# Altium PCB Motor_Driver_3_Phase.PcbDoc (part 3 of 3)
Units mm, origin at the board's own origin, x right, y up, seen from the top; angles counter-clockwise.
Board outline 164.5 x 248.75 mm, 4 copper layers (Top Layer, mid1, mid2, Bottom Layer), stack 0.604 mm thick; 448 components, 306 nets, 1071 pads, 1519 vias.
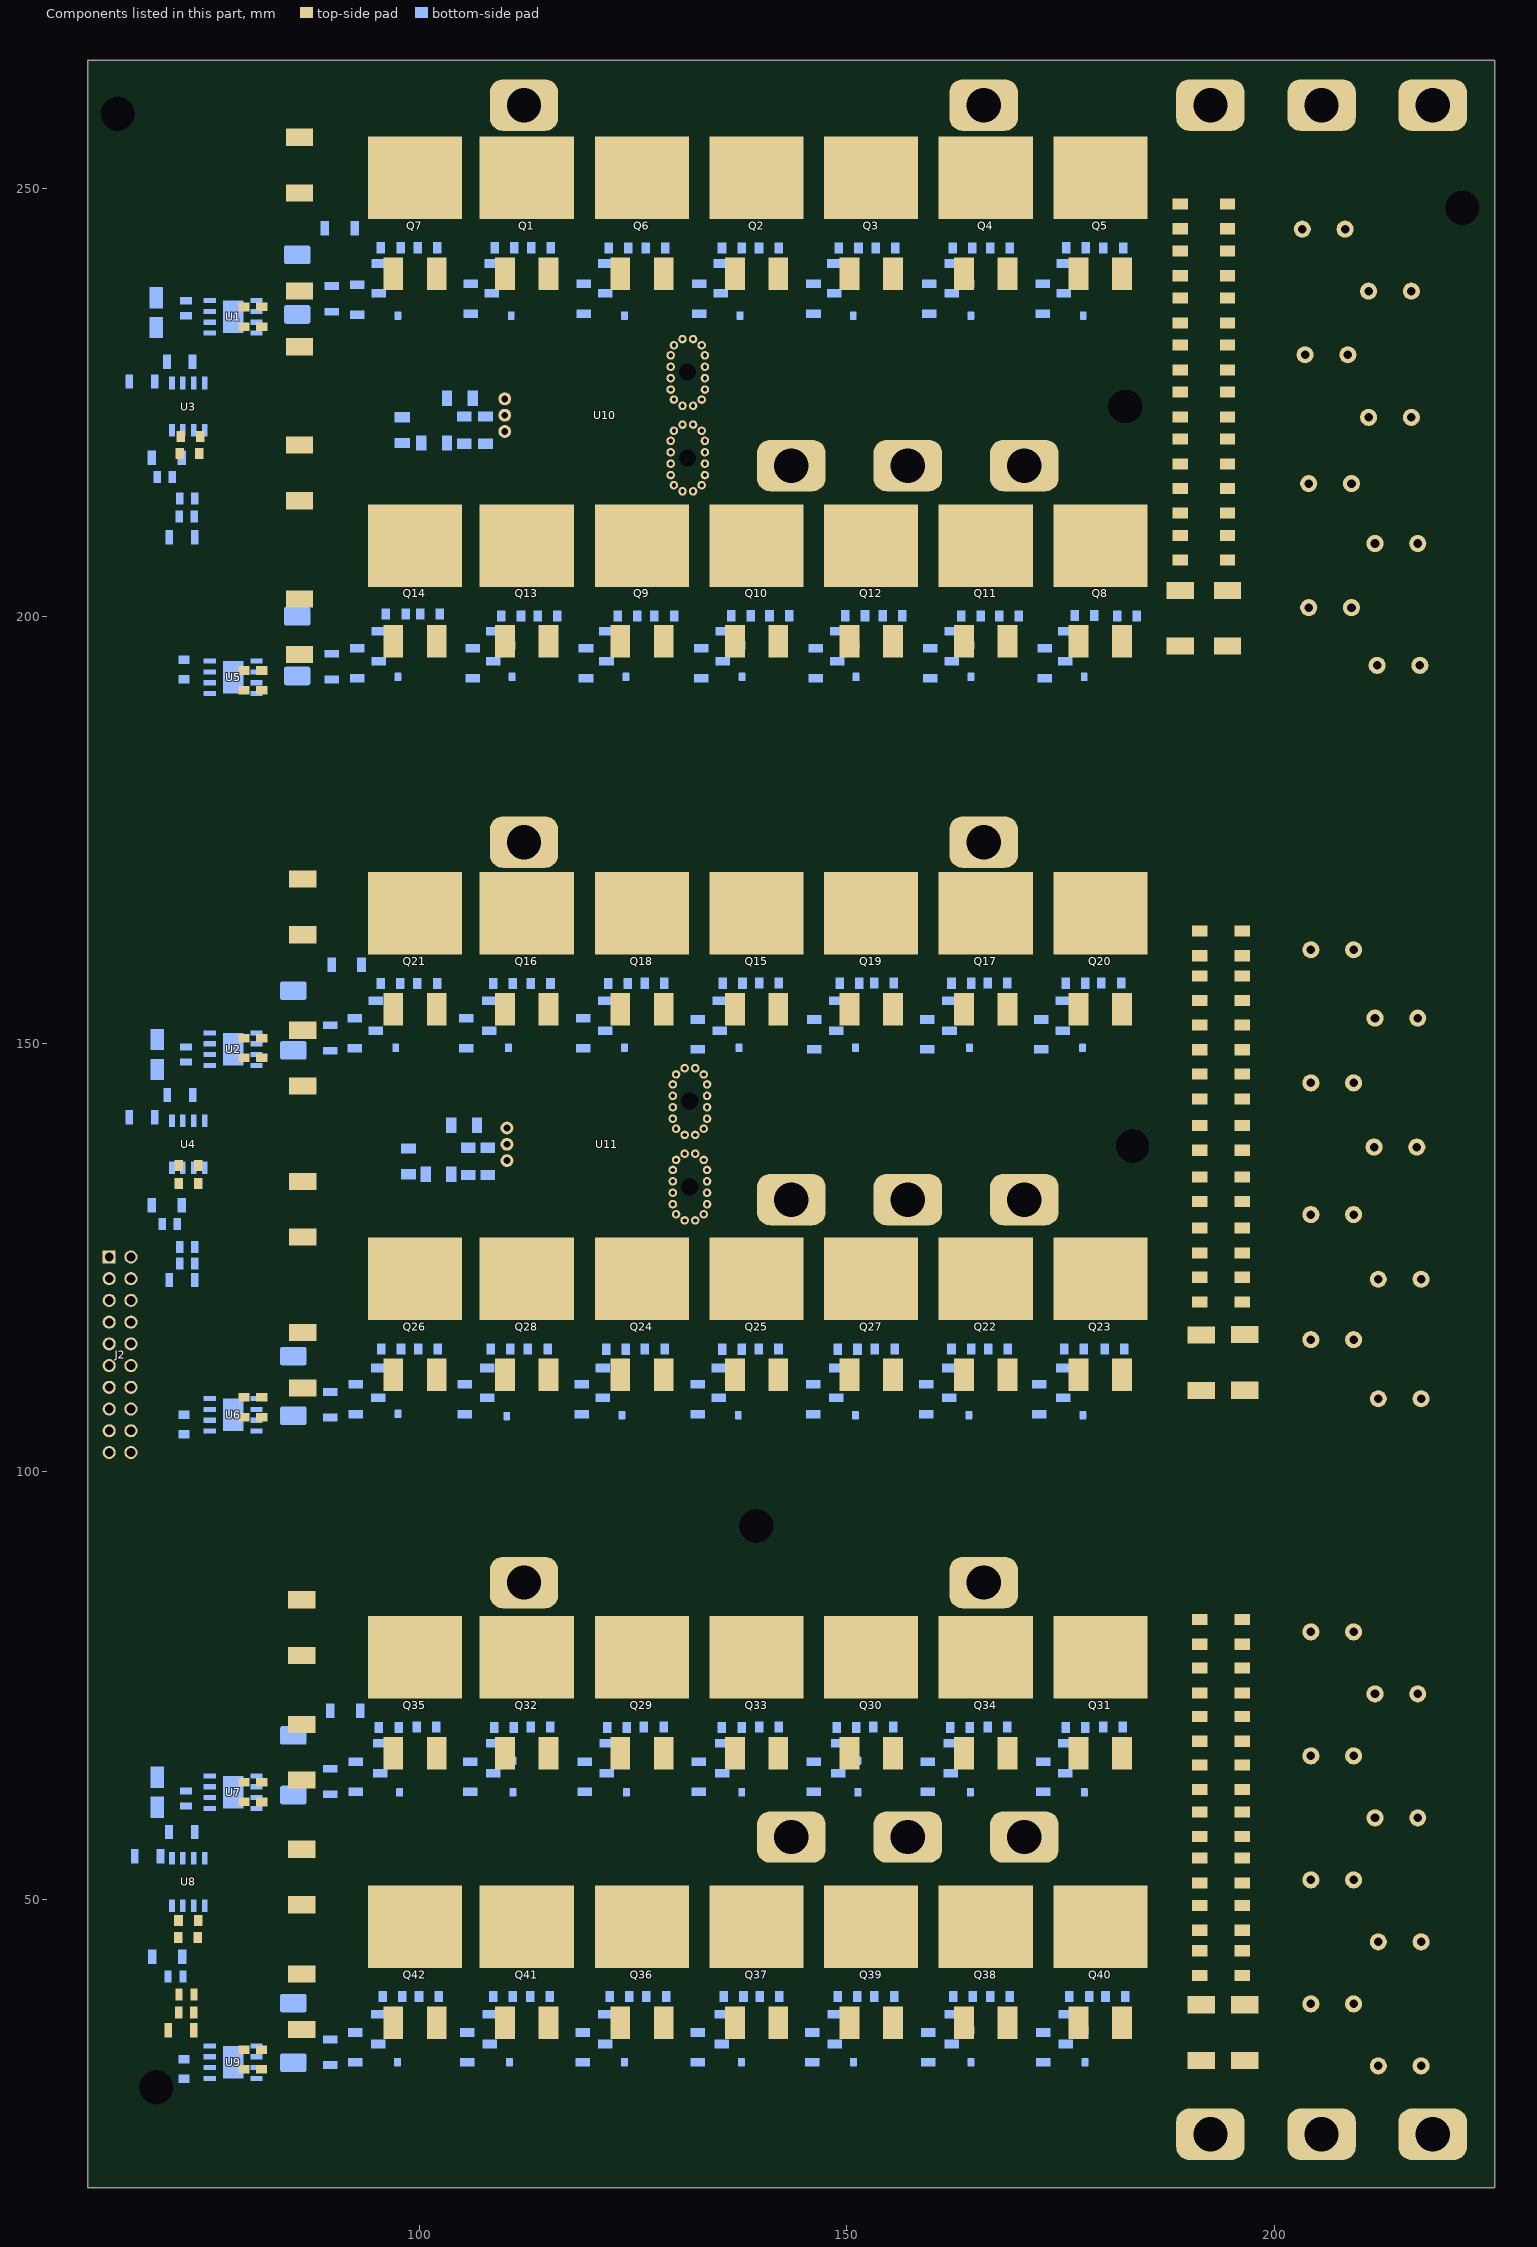
[diagram p5: the components of this part, seen from the top]

## Polygon pours and split planes (outlines as drawn) (continued)
NetQ30_1 on Top Layer "NETQ30_1_L01_P578" (solid, remove dead copper, pour order 578): 144.872,65.032 144.872,65.581 144.872,70.833 151.5,70.833 151.5,65.083
NetQ33_1 on Top Layer "NETQ33_1_L01_P576" (solid, remove dead copper, pour order 576): 131.465,65.044 131.465,65.604 131.465,70.856 138.11,70.856 138.11,65.136
NetQ29_1 on Top Layer "NETQ29_1_L01_P574" (solid, remove dead copper, pour order 574): 118.073,65.144 118.073,65.607 118.073,70.86 124.75,70.86 124.75,65.144
NetQ32_1 on Top Layer "NETQ32_1_L01_P572" (solid, remove dead copper, pour order 572): 104.731,65 104.731,65.555 104.731,70.807 111.25,70.807 111.25,65.072
NetQ35_1 on Top Layer "NETQ35_1_L01_P571" (solid, remove dead copper, pour order 571): 91.5,65.037 91.5,65.497 91.5,70.75 98.25,70.75 98.25,65.097
NetQ23_1 on Top Layer "NETQ23_1_L01_P564" (solid, remove dead copper, pour order 564): 171.238,109.129 171.238,115.155 178.379,115.155 178.379,109.104
NetQ22_1 on Top Layer "NETQ22_1_L01_P562" (solid, remove dead copper, pour order 562): 158.026,109.211 158.026,115.25 164.934,115.25 164.934,109.187
NetQ27_1 on Top Layer "NETQ27_1_L01_P560" (solid, remove dead copper, pour order 560): 144.732,109.113 144.732,115.152 151.5,115.152 151.5,109.09
NetQ25_1 on Top Layer "NETQ25_1_L01_P558" (solid, remove dead copper, pour order 558): 131.223,109.087 131.223,115.124 138.182,115.124 138.182,109.064
NetQ24_1 on Top Layer "NETQ24_1_L01_P556" (solid, remove dead copper, pour order 556): 117.638,109.179 117.638,115.25 124.75,115.25 124.75,109.154
NetQ28_1 on Top Layer "NETQ28_1_L01_P554" (solid, remove dead copper, pour order 554): 104.149,109.047 104.149,115.049 111.25,115.049 111.25,109.023
NetQ26_1 on Top Layer "NETQ26_1_L01_P553" (solid, remove dead copper, pour order 553): 91.378,109.048 91.378,115 98.25,115 98.25,109.025
NetQ20_1 on Top Layer "NETQ20_1_L01_P549" (solid, remove dead copper, pour order 549): 178.382,157.896 178.382,151.84 171.48,151.84 171.48,157.896
NetQ17_1 on Top Layer "NETQ17_1_L01_P547" (solid, remove dead copper, pour order 547): 165,157.807 165,151.751 158.226,151.751 158.226,157.807
NetQ19_1 on Top Layer "NETQ19_1_L01_P545" (solid, remove dead copper, pour order 545): 151.585,157.843 151.585,151.788 144.894,151.788 144.894,157.843
NetQ15_1 on Top Layer "NETQ15_1_L01_P544" (solid, remove dead copper, pour order 544): 138.127,157.857 138.127,151.801 131.309,151.801 131.309,157.857
NetQ18_1 on Top Layer "NETQ18_1_L01_P542" (solid, remove dead copper, pour order 542): 124.721,157.878 124.721,151.822 117.99,151.822 117.99,157.878
NetQ16_1 on Top Layer "NETQ16_1_L01_P540" (solid, remove dead copper, pour order 540): 111.25,157.78 111.25,151.724 104.272,151.724 104.272,157.78
NetQ21_1 on Top Layer "NETQ21_1_L01_P538" (solid, remove dead copper, pour order 538): 98.25,157.799 98.25,151.744 91.256,151.744 91.256,157.799
NetQ5_1 on Top Layer "NETQ5_1_L01_P531" (solid, remove dead copper, pour order 531): 171.756,244.075 178.373,244.075 178.373,237.575 171.756,237.575
NetQ4_1 on Top Layer "NETQ4_1_L01_P529" (solid, remove dead copper, pour order 529): 158.443,243.973 164.918,243.973 164.918,237.473 158.443,237.473
NetQ3_1 on Top Layer "NETQ3_1_L01_P527" (solid, remove dead copper, pour order 527): 144.822,243.986 151.5,243.986 151.5,237.486 144.822,237.486
NetQ2_1 on Top Layer "NETQ2_1_L01_P525" (solid, remove dead copper, pour order 525): 131.477,244.031 138.095,244.031 138.095,237.531 131.477,237.531
NetQ6_1 on Top Layer "NETQ6_1_L01_P523" (solid, remove dead copper, pour order 523): 118,244 124.75,244 124.75,237.5 118,237.5
NetQ1_1 on Top Layer "NETQ1_1_L01_P521" (solid, remove dead copper, pour order 521): 104.717,244.019 111.25,244.019 111.25,237.519 104.717,237.519
NetQ7_1 on Top Layer "NETQ7_1_L01_P520" (solid, remove dead copper, pour order 520): 91.5,244 98.25,244 98.25,237.5 91.5,237.5
A on Top Layer "A_L01_P431" (solid, remove dead copper, pour order 431): 180.861,232.118 184.673,237.006 184.673,242.281 180.861,242.281
+48V on Top Layer "+48V_L01_P416" (solid, remove dead copper, pour order 416): 20 vertices, not listed, extent 200.561,107 213.5,164.75
no net on Top Layer "NONET_L01_P471" (solid, pour order 471): 183.383,250 201.75,250 201.75,247.25 183.383,247.25
GND on Top Layer "GND_L01_P418" (solid, remove dead copper, pour order 418): 19 vertices, not listed, extent 207.75,20.25 225.632,98
+48V on Top Layer "+48V_L01_P467" (solid, pour order 467): 93.75,90.5 84,90.5 84.25,90.25 84.25,83.39 93.75,83.39 93.75,73 185.448,73 185.448,82 202.75,82 204.5,82.502 204.5,90.5
Source_3 on Top Layer "SOURCE_3_L01_P466" (solid, pour order 466): 180.887,64 181.867,64 181.867,62.75 181.25,62.75 181.25,58.75 185.486,58.75 185.486,69 180.887,69
Source_3 on Top Layer "SOURCE_3_L01_P465" (solid, pour order 465): 167.5,63.75 167.5,62.75 167.5,58.75 170.75,58.75 170.75,69 167.5,69
Source_3 on Top Layer "SOURCE_3_L01_P464" (solid, pour order 464): 154,64.25 154,62.75 154,58.75 157.5,58.75 157.5,69 154,69
Source_3 on Top Layer "SOURCE_3_L01_P463" (solid, pour order 463): 140.75,64 140.75,62.75 140.75,58.75 144.25,58.75 144.25,69 140.75,69
Source_3 on Top Layer "SOURCE_3_L01_P462" (solid, pour order 462): 127.266,63.75 127.266,58.84 130.75,58.84 130.75,69.09 127.266,69.09
Source_3 on Top Layer "SOURCE_3_L01_P461" (solid, pour order 461): 100.25,64.828 100.25,58.75 103.5,58.75 103.5,69 100.25,69
Source_3 on Top Layer "SOURCE_3_L01_P460" (solid, pour order 460): 113.858,64 113.858,58.75 117.25,58.75 117.25,69 113.858,69
GND on Top Layer "GND_L01_P441" (solid, remove dead copper, pour order 441): 100.75,32.968 100.75,31 100.75,23.75 103.75,23.75 103.75,37.5 100.75,37.5
GND on Top Layer "GND_L01_P442" (solid, remove dead copper, pour order 442): 113.837,32.963 113.837,24.75 117,24.75 117,37.503 113.819,37.497
GND on Top Layer "GND_L01_P447" (solid, remove dead copper, pour order 447): 100.75,101 103.5,101 103.5,113.25 100.75,113.25
+48V on Top Layer "+48V_L01_P458" (solid, pour order 458): 93.75,176.75 84.5,176.75 84.5,167.66 93.75,167.66 93.75,160.5 189.5,160.5 189.5,162 205.75,162 205.75,176.75 186.75,176.75
+48V on Top Layer "+48V_L01_P457" (solid, pour order 457): 183.383,250 201.75,250 201.75,247.25 183.383,247.25
A on Top Layer "A_L01_P430" (solid, remove dead copper, pour order 430): 167.56,235.75 169.626,235.75 167.56,235.75 167.56,229.25 170.75,229.25 170.75,242 167.56,242
GND on Top Layer "GND_L01_P449" (solid, pour order 449): 140.591,108.728 140.591,101.5 143.75,101.5 143.75,113.25 140.591,113.25
GND on Top Layer "GND_L01_P452" (solid, remove dead copper, pour order 452): 113.768,108.721 113.768,106.75 113.768,101 116.75,101 116.75,113.364 113.768,113.364
EQEP1B on Top Layer "EQEP1B_L01_P438" (solid, remove dead copper, pour order 438): 154.13,151.461 154.13,144.75 157.25,144.75 157.25,155.952 154.13,155.952
EQEP1B on Top Layer "EQEP1B_L01_P436" (solid, remove dead copper, pour order 436): 127.362,151.481 127.362,149.5 127.351,145.25 130.25,145.25 130.25,156 127.351,156
EQEP1B on Top Layer "EQEP1B_L01_P435" (solid, remove dead copper, pour order 435): 113.859,151.467 113.859,156 117,156 117,145 113.859,145
A on Top Layer "A_L01_P426" (solid, remove dead copper, pour order 426): 127.376,236.75 127.376,235.791 127.376,231.5 130.5,231.5 130.5,242.25 127.376,242.25
GND on Top Layer "GND_L01_P451" (solid, remove dead copper, pour order 451): 167.362,108.75 167.362,106.918 167.362,101 170.5,101 170.5,113.25 167.362,113.25
GND on Top Layer "GND_L01_P450" (solid, remove dead copper, pour order 450): 154,101.5 157,101.5 157,113.25 154,113.25
GND on Top Layer "GND_L01_P448" (solid, remove dead copper, pour order 448): 127.379,108.72 127.379,106.75 127.379,101.25 130.293,101.25 130.293,113.25 127.379,113.25
GND on Top Layer "GND_L01_P446" (solid, remove dead copper, pour order 446): 167.5,32.954 167.5,25.25 170.75,25.25 170.75,37.5 167.5,37.5
GND on Top Layer "GND_L01_P445" (solid, remove dead copper, pour order 445): 154.101,32.953 154.101,30.917 154.101,25.5 157.5,25.5 157.5,37.5 154.101,37.5
GND on Top Layer "GND_L01_P444" (solid, remove dead copper, pour order 444): 140.75,32.963 140.75,25 144,25 144,37.5 140.75,37.5
GND on Top Layer "GND_L01_P443" (solid, remove dead copper, pour order 443): 127.396,32.979 127.396,24.309 130.5,24.309 130.5,37.559 127.396,37.559
EQEP1B on Top Layer "EQEP1B_L01_P440" (solid, remove dead copper, pour order 440): 180.855,151.5 180.855,145.25 185,147.75 185,156 180.855,156
EQEP1B on Top Layer "EQEP1B_L01_P439" (solid, remove dead copper, pour order 439): 167.385,150.5 167.385,149.5 167.385,145.5 170.5,145.5 170.5,156 167.385,156
EQEP1B on Top Layer "EQEP1B_L01_P437" (solid, remove dead copper, pour order 437): 140.635,151.451 140.635,149.5 140.635,144.313 143.75,144.313 143.75,156 140.635,156
A on Top Layer "A_L01_P429" (solid, remove dead copper, pour order 429): 154.162,235.808 156.21,235.808 154.162,235.808 154.162,230.511 157.5,230.495 157.5,241.933 154.162,241.933
A on Top Layer "A_L01_P428" (solid, remove dead copper, pour order 428): 140.763,236.75 140.763,230 143.75,230 143.75,242 140.763,242
A on Top Layer "A_L01_P427" (solid, remove dead copper, pour order 427): 113.86,235.865 115.674,235.865 113.86,235.865 113.86,230.25 117,230.25 117,242 113.86,242
+48V on Top Layer "+48V_L01_P417" (solid, remove dead copper, pour order 417): 19 vertices, not listed, extent 201,29 213.25,83
+48V on Top Layer "+48V_L01_P414" (solid, pour order 414): 20 vertices, not listed, extent 199,192.5 213,250
GND on Bottom Layer "GND_L04_P502" (solid, remove dead copper, pour order 502): 56 vertices, not listed, extent 61.25,133 185.25,228.25
GND on Bottom Layer "GND_L04_P584" (solid, remove dead copper, pour order 584): 54 vertices, not listed, extent 61.25,26 184.19,107.25
A on Bottom Layer "A_L04_P706" (solid, pour order 706): 175.75,224 181,229.25 181,233 105.75,233 117.75,224
Source_3 on Bottom Layer "SOURCE_3_L04_P710" (solid, pour order 710): 94,53 101.75,60.75 185.597,60.75 185.597,44.097 185.25,43.75 94,43.75
B1 on Bottom Layer "B1_L04_P709" (solid, pour order 709): 106.5,127.75 115.25,137.5 177,137.5 185.25,129.25 185.25,118.5 94.75,118.5 93.75,119.5 93.75,127.75
EQEP1B on Bottom Layer "EQEP1B_L04_P708" (solid, pour order 708): 105,147.75 185,147.75 176,138.75 114,138.75
A1 on Bottom Layer "A1_L04_P707" (solid, pour order 707): 93.75,213.25 109.79,213.25 116.203,223 175.25,223 185,213.25 185,204.75 95.25,204.75 93.75,206.25
NetD42_1 on Bottom Layer "NETD42_1_L04_P705" (solid, pour order 705): 174.567,32.372 174.567,35.244 178.678,35.244 178.678,32.357
NetD41_1 on Bottom Layer "NETD41_1_L04_P704" (solid, pour order 704): 161.242,32.272 161.242,35.24 165.353,35.24 165.353,32.257
NetD40_1 on Bottom Layer "NETD40_1_L04_P703" (solid, pour order 703): 147.522,32.334 147.522,35.407 151.813,35.407 151.813,32.318
NetD37_1 on Bottom Layer "NETD37_1_L04_P702" (solid, pour order 702): 134.315,32.366 134.315,35.346 138.606,35.346 138.606,32.351
NetD36_1 on Bottom Layer "NETD36_1_L04_P701" (solid, pour order 701): 120.684,32.25 120.684,35.23 124.933,35.23 124.933,32.235
NetD39_1 on Bottom Layer "NETD39_1_L04_P700" (solid, pour order 700): 107.169,32.369 107.169,35.248 111.352,35.248 111.352,32.353
NetD38_1 on Bottom Layer "NETD38_1_L04_P699" (solid, pour order 699): 94.122,32.385 94.122,35.197 98.26,35.197 98.26,32.369
NetD35_1 on Bottom Layer "NETD35_1_L04_P698" (solid, pour order 698): 174.517,63.984 174.517,66.865 178.59,66.865 178.59,63.969
NetD34_1 on Bottom Layer "NETD34_1_L04_P697" (solid, pour order 697): 161.174,64.058 161.174,66.87 165.247,66.87 165.247,64.043
NetD33_1 on Bottom Layer "NETD33_1_L04_P696" (solid, pour order 696): 148,64 148,66.812 152.073,66.812 152.073,63.985
NetD32_1 on Bottom Layer "NETD32_1_L04_P695" (solid, pour order 695): 134.403,64.042 134.403,66.854 138.476,66.854 138.476,64.027
NetD31_1 on Bottom Layer "NETD31_1_L04_P694" (solid, pour order 694): 120.888,64.007 120.888,66.819 124.961,66.819 124.961,63.992
NetD30_1 on Bottom Layer "NETD30_1_L04_P693" (solid, pour order 693): 107.675,64.006 107.675,66.818 111.748,66.818 111.748,63.991
NetD29_1 on Bottom Layer "NETD29_1_L04_P692" (solid, pour order 692): 94.443,63.987 94.443,66.799 98.516,66.799 98.516,63.972
NetD28_1 on Bottom Layer "NETD28_1_L04_P691" (solid, pour order 691): 174.264,107.873 174.264,110.879 178.414,110.879 178.414,107.858
NetD27_1 on Bottom Layer "NETD27_1_L04_P690" (solid, pour order 690): 160.924,107.869 160.924,110.893 165.075,110.893 165.075,107.853
NetD26_1 on Bottom Layer "NETD26_1_L04_P689" (solid, pour order 689): 147.717,107.876 147.717,110.9 151.805,110.9 151.805,107.861
NetD23_1 on Bottom Layer "NETD23_1_L04_P688" (solid, pour order 688): 134.064,107.994 134.064,110.866 138.153,110.866 138.153,107.979
NetD22_1 on Bottom Layer "NETD22_1_L04_P687" (solid, pour order 687): 120.422,107.976 120.422,110.848 124.511,110.848 124.511,107.961
NetD25_1 on Bottom Layer "NETD25_1_L04_P686" (solid, pour order 686): 106.912,107.878 106.912,110.75 111,110.75 111,107.863
NetD24_1 on Bottom Layer "NETD24_1_L04_P685" (solid, pour order 685): 94.222,107.921 94.222,111.058 98.295,111.058 98.295,107.906
NetD21_1 on Bottom Layer "NETD21_1_L04_P684" (solid, pour order 684): 174.25,150.75 174.25,153.816 178.387,153.816 178.387,150.735
NetD20_1 on Bottom Layer "NETD20_1_L04_P683" (solid, pour order 683): 160.995,150.835 160.995,153.9 165.132,153.9 165.132,150.82
NetD19_1 on Bottom Layer "NETD19_1_L04_P682" (solid, pour order 682): 147.748,150.832 147.748,153.897 151.885,153.897 151.885,150.817
NetD18_1 on Bottom Layer "NETD18_1_L04_P681" (solid, pour order 681): 134.113,150.827 134.113,153.892 138.25,153.892 138.25,150.812
NetD17_1 on Bottom Layer "NETD17_1_L04_P680" (solid, pour order 680): 120.698,150.842 120.698,153.908 124.771,153.908 124.771,150.827
NetD16_1 on Bottom Layer "NETD16_1_L04_P679" (solid, pour order 679): 107.18,150.894 107.18,154.031 111.253,154.031 111.253,150.879
NetD15_1 on Bottom Layer "NETD15_1_L04_P678" (solid, pour order 678): 93.949,150.793 93.949,153.93 98.022,153.93 98.022,150.778
NetD14_1 on Bottom Layer "NETD14_1_L04_P677" (solid, pour order 677): 174.614,194.202 174.614,197.159 178.331,197.159 178.331,194.189
NetD13_1 on Bottom Layer "NETD13_1_L04_P676" (solid, pour order 676): 161.35,194.163 161.35,197.237 165.067,197.237 165.067,194.15
NetD12_1 on Bottom Layer "NETD12_1_L04_P675" (solid, pour order 675): 148.001,194.13 148.001,197.204 151.718,197.204 151.718,194.117
NetD9_1 on Bottom Layer "NETD9_1_L04_P674" (solid, pour order 674): 134.667,194.131 134.667,197.205 138.384,197.205 138.384,194.118
NetD8_1 on Bottom Layer "NETD8_1_L04_P673" (solid, pour order 673): 120.986,194.065 120.986,197.102 124.908,197.102 124.908,194.051
NetQ9_1 on Bottom Layer "NETQ9_1_L04_P672" (solid, remove dead copper, pour order 672): 120.719,194.947 120.719,197.75 123.836,197.75 123.836,200.947 118.242,200.947 118.242,194.947
NetD11_1 on Bottom Layer "NETD11_1_L04_P670" (solid, pour order 670): 107.828,194.134 107.828,197.171 111.75,197.171 111.75,194.12
NetD10_1 on Bottom Layer "NETD10_1_L04_P669" (solid, pour order 669): 94.25,194.113 94.25,197.25 98.323,197.25 98.323,194.098
NetD7_1 on Bottom Layer "NETD7_1_L04_P668" (solid, pour order 668): 174.353,237.123 174.353,239.586 178.143,239.586 178.143,237.164
NetD6_1 on Bottom Layer "NETD6_1_L04_P667" (solid, pour order 667): 161.186,237.089 161.186,239.493 164.976,239.493 164.976,237.13
NetD5_1 on Bottom Layer "NETD5_1_L04_P666" (solid, pour order 666): 147.58,237.199 147.58,239.602 151.371,239.602 151.371,237.239
NetD4_1 on Bottom Layer "NETD4_1_L04_P665" (solid, pour order 665): 134.275,237.136 134.275,239.539 138.066,239.539 138.066,237.176
NetD3_1 on Bottom Layer "NETD3_1_L04_P664" (solid, pour order 664): 120.843,237.086 120.843,239.489 124.633,239.489 124.633,237.126
NetD2_1 on Bottom Layer "NETD2_1_L04_P663" (solid, pour order 663): 107.614,237.097 107.614,239.5 111.25,239.5 111.25,237.135
NetD1_1 on Bottom Layer "NETD1_1_L04_P662" (solid, pour order 662): 94.452,237.211 94.452,239.5 98,239.5 98,237.211
NetC163_1 on Bottom Layer "NETC163_1_L04_P652" (solid, pour order 652): 72,46.116 71.75,46.116 71.75,40.045 72.918,40.038 72.918,50 72,50
NetR154_2 on Bottom Layer "NETR154_2_L04_P649" (solid, pour order 649): 71.452,56.635 68.768,56.635 68.768,53.966 71.452,53.966
15V on Bottom Layer "15V_L04_P647" (solid, pour order 647): 71.505,105 76.75,105 76.75,104.5 80,104.5 79.954,104.546 79.954,105.132 81.777,105.132 81.791,105.146 81.834,105.104 81.834,102.877 71.494,102.877
NetR145_2 on Bottom Layer "NETR145_2_L04_P645" (solid, pour order 645): 73.25,140.25 73.25,143 73,143 73,146 74,146 74,142.901 74.028,142.874 74,142.846 74,140.25
NetR150_2 on Bottom Layer "NETR150_2_L04_P644" (solid, pour order 644): 68.5,142.651 71.5,142.651 71.5,140.25 68.5,140.25
NetC153_1 on Bottom Layer "NETC153_1_L04_P642" (solid, pour order 642): 72,132 71.625,132 71.625,131.875 71.625,130.125 71.25,129.75 71.25,128.25 72.25,128.25 72.25,129.5 72.75,130 72.75,136.25 72,136.25
NetC89_2 on Bottom Layer "NETC89_2_L04_P641" (solid, pour order 641): 73.291,136.231 73.31,136.25 74,136.25 74,127.75 74.5,127.25 74.462,127.212 74.462,121.448 73.25,121.448 73.25,134.5
NetC9_2 on Bottom Layer "NETC9_2_L04_P639" (solid, pour order 639): 72,140.25 72,142.75 71.643,143.107 68.143,143.107 66.5,144.75 66.5,147 67.75,147 67.75,145.5 68.349,144.901 72.151,144.901 72.75,143.982 72.75,140.25
NetC9_1 on Bottom Layer "NETC9_1_L04_P605" (solid, pour order 605): 20 vertices, not listed, extent 68.5,140.148 82.84,148.5
NetC154_1 on Bottom Layer "NETC154_1_L04_P636" (solid, pour order 636): 72.896,222.5 72,222.5 72,221 71.696,220.696 71.696,217.5 71,217.5 70.5,217 70.509,215.352 71.696,215.352 71.75,215.406 71.75,217 72.342,217 72.896,217.554
15V on Bottom Layer "15V_L04_P635" (solid, pour order 635): 76.845,191.343 76.845,190.751 79.655,190.751 79.655,191.343 82,191.343 82,189.25 71.727,189.25 71.727,193.25 73,193.25 73.5,192.75 73.5,191.343
NetR149_2 on Bottom Layer "NETR149_2_L04_P634" (solid, pour order 634): 68.5,228.5 71.25,228.5 71.5,228.25 71.5,225.25 68.5,225.25
15V on Bottom Layer "15V_L04_P633" (solid, pour order 633): 74.5,223.75 78.169,223.75 78.169,219.75 74.5,219.75
NetC90_2 on Bottom Layer "NETC90_2_L04_P632" (solid, pour order 632): 73.25,208.25 73.25,222.497 73.247,222.5 74,222.5 74,215.25 74.5,214.75 74.5,208.25
GND on Bottom Layer "GND_L04_P629" (solid, pour order 629): 61.25,199.25 72.5,199.25 72.5,210.75 72.5,214.75 70,214.75 70,219 71.5,220.5 71.5,222.5 69.25,224.75 66.75,224.75 66.75,228.25 61.25,228.25
NetR144_2 on Bottom Layer "NETR144_2_L04_P628" (solid, pour order 628): 73,231.75 74.25,231.75 74.25,226.5 74,226.25 73,226.25
NetR144_2 on Bottom Layer "NETR144_2_L04_P627" (solid, pour order 627): 76.25,234.75 73.8,234.75 73.8,234 76.25,234
NetC8_2 on Bottom Layer "NETC8_2_L04_P626" (solid, pour order 626): 33 vertices, not listed, extent 64.259,226.5 90.75,246.5
NetC8_1 on Bottom Layer "NETC8_1_L04_P625" (solid, pour order 625): 68.513,235.058 72,235.058 72,235.75 73.5,235.75 73.5,233.5 76.25,233.5 76.25,226 74.5,226 74.5,232 69.104,232 68.482,232.622
NetC8_1 on Bottom Layer "NETC8_1_L04_P624" (solid, pour order 624): 81.97,233.438 76.25,233.438 76.25,231.188 81.97,231.188
NetC8_2 on Bottom Layer "NETC8_2_L04_P623" (solid, pour order 623): 82.75,236.596 80.219,236.596 80.219,237.25 76.472,237.25 76.472,241 82.75,241
NetQ35_1 on Bottom Layer "NETQ35_1_L04_P570" (solid, remove dead copper, pour order 570): 93.749,65.106 93.749,67.576 96.496,67.576 96.496,70.75 91.5,70.75 91.5,65.082
NetC23_2 on Bottom Layer "NETC23_2_L04_P568" (solid, remove dead copper, pour order 568): 24 vertices, not listed, extent 66.25,54 90.75,73
Source_3 on Bottom Layer "SOURCE_3_L04_P567" (solid, remove dead copper, pour order 567): 39 vertices, not listed, extent 92.25,64.002 184.092,72.952
NetC9_2 on Bottom Layer "NETC9_2_L04_P535" (solid, remove dead copper, pour order 535): 18 vertices, not listed, extent 66.5,146.5 90.75,160.25
EQEP1B on Bottom Layer "EQEP1B_L04_P534" (solid, remove dead copper, pour order 534): 35 vertices, not listed, extent 92.307,150.75 183.75,160.25
+48V on Bottom Layer "+48V_L04_P615" (solid, pour order 615): 93.75,264.25 222.75,264.25 222.75,248.25 93.75,248.25
15V on Bottom Layer "15V_L04_P613" (solid, pour order 613): 71.5,29.75 73.404,29.75 73.404,29.427 76.338,29.427 76.338,28.677 80.155,28.677 80.155,29.427 81.807,29.427 81.807,27.25 71.5,27.25
15V on Bottom Layer "15V_L04_P611" (solid, pour order 611): 78.25,44.5 78.25,51.25 74.5,51.25 74.5,44.5
NetC23_1 on Bottom Layer "NETC23_1_L04_P610" (solid, pour order 610): 21 vertices, not listed, extent 68.429,53.998 82.5,62.105
15V on Bottom Layer "15V_L04_P608" (solid, pour order 608): 79,136.5 74.476,136.5 74.476,130.483 79,130.483
A on Bottom Layer "A_L04_P518" (solid, remove dead copper, pour order 518): 32 vertices, not listed, extent 91.5,237 183.75,246.25
NetD8_2 on Bottom Layer "NETD8_2_L04_P501" (solid, remove dead copper, pour order 501): 87.75,193.621 87.75,194.25 83.963,194.25 83.963,193.84 80.12,193.84 80.12,191.75 178.75,191.75 178.75,193.805
NetQ14_1 on Bottom Layer "NETQ14_1_L04_P503" (solid, remove dead copper, pour order 503): 93.882,195 93.882,197.75 96.75,197.75 96.75,201 91.5,201 91.5,195
NetQ13_1 on Bottom Layer "NETQ13_1_L04_P505" (solid, remove dead copper, pour order 505): 107.493,195 107.493,197.5 110.25,197.5 110.25,201 105,201 105,195
NetQ10_1 on Bottom Layer "NETQ10_1_L04_P510" (solid, remove dead copper, pour order 510): 134.25,195.117 134.25,197.75 137.139,197.75 137.138,197.755 137.138,201.117 131.75,201.117 131.75,195.117
NetQ12_1 on Bottom Layer "NETQ12_1_L04_P512" (solid, remove dead copper, pour order 512): 147.519,195.047 147.5,195.066 147.5,197.598 150.574,197.598 150.574,201.047 145.074,201.047 145.074,195.047
NetQ11_1 on Bottom Layer "NETQ11_1_L04_P513" (solid, remove dead copper, pour order 513): 160.915,195.132 160.917,197.5 164.024,197.5 164.024,201.132 158.524,201.132 158.524,195.132
NetQ8_1 on Bottom Layer "NETQ8_1_L04_P515" (solid, remove dead copper, pour order 515): 174.293,195.167 174.25,195.21 174.25,197.675 177.385,197.675 177.385,201.167 171.885,201.167 171.885,195.167
NetQ40_1 on Bottom Layer "NETQ40_1_L04_P599" (solid, remove dead copper, pour order 599): 174.119,33.492 174.119,35.912 176.715,35.912 176.715,39.262 171.659,39.262 171.668,39.252 171.668,33.492
NetQ38_1 on Bottom Layer "NETQ38_1_L04_P597" (solid, remove dead copper, pour order 597): 160.502,33.597 160.502,35.847 163.345,35.847 163.345,39.228 158.111,39.228 158.121,39.218 158.121,33.597
NetQ39_1 on Bottom Layer "NETQ39_1_L04_P595" (solid, remove dead copper, pour order 595): 147.056,33.542 147.056,35.88 149.603,35.88 149.603,39.274 144.607,39.274 144.616,39.265 144.616,33.542
NetQ37_1 on Bottom Layer "NETQ37_1_L04_P593" (solid, remove dead copper, pour order 593): 133.75,33.611 133.75,35.9 136.394,35.9 136.394,39.301 131.343,39.301 131.353,39.292 131.353,33.611
NetQ36_1 on Bottom Layer "NETQ36_1_L04_P591" (solid, remove dead copper, pour order 591): 120.25,33.641 120.25,35.893 122.85,35.893 122.85,39.259 117.895,39.259 117.904,39.25 117.904,33.641
NetQ41_1 on Bottom Layer "NETQ41_1_L04_P589" (solid, remove dead copper, pour order 589): 106.75,33.493 106.75,35.919 109.25,35.919 109.25,39.247 104.343,39.247 104.353,39.238 104.353,33.493
NetQ42_1 on Bottom Layer "NETQ42_1_L04_P587" (solid, remove dead copper, pour order 587): 93.75,33.493 93.75,35.94 96.331,35.94 96.331,39.25 91.25,39.25 91.259,39.241 91.259,33.493
NetD36_2 on Bottom Layer "NETD36_2_L04_P585" (solid, remove dead copper, pour order 585): 88.273,31.953 80,31.953 80,29.877 178.749,29.877 178.752,31.723
NetQ31_1 on Bottom Layer "NETQ31_1_L04_P583" (solid, remove dead copper, pour order 583): 174.203,65.025 174.203,67.5 176.652,67.5 176.652,70.905 171.638,70.905 171.638,65.652 171.638,65.005
NetQ34_1 on Bottom Layer "NETQ34_1_L04_P581" (solid, remove dead copper, pour order 581): 160.628,64.999 160.628,67.613 163.315,67.613 163.315,70.84 158.185,70.84 158.185,65.588 158.185,64.98
NetQ30_1 on Bottom Layer "NETQ30_1_L04_P579" (solid, remove dead copper, pour order 579): 147.245,65.14 147.245,67.573 150.082,67.573 150.082,70.833 144.872,70.833 144.872,65.14
NetQ33_1 on Bottom Layer "NETQ33_1_L04_P577" (solid, remove dead copper, pour order 577): 133.75,65.161 133.75,67.56 136.47,67.56 136.47,70.856 131.465,70.856 131.465,65.161
NetQ29_1 on Bottom Layer "NETQ29_1_L04_P575" (solid, remove dead copper, pour order 575): 120.43,65.182 120.43,67.655 123,67.655 123,70.86 118.073,70.86 118.073,65.182
NetQ32_1 on Bottom Layer "NETQ32_1_L04_P573" (solid, remove dead copper, pour order 573): 107.095,65.114 107.095,67.475 109.661,67.475 109.661,70.807 104.731,70.807 104.731,65.114
NetD29_2 on Bottom Layer "NETD29_2_L04_P569" (solid, remove dead copper, pour order 569): 83.5,61.5 83.5,60.873 83.489,60.862 86.936,60.862 86.936,61.5 178.685,61.5 178.685,63.199 80.052,63.48 80.052,61.5
GND on Bottom Layer "GND_L04_P551" (solid, remove dead copper, pour order 551): 56 vertices, not listed, extent 61.25,106.25 183.75,143.75
NetD22_2 on Bottom Layer "NETD22_2_L04_P566" (solid, remove dead copper, pour order 566): 83.5,105.619 83.5,105.25 87,105.25 87,105.619 178.452,105.619 178.452,107.428 80,107.622 80,105.619
NetQ23_1 on Bottom Layer "NETQ23_1_L04_P565" (solid, remove dead copper, pour order 565): 173.621,109.12 173.621,111.5 176.323,111.5 176.323,115.18 171.238,115.18 171.238,109.129
NetQ22_1 on Bottom Layer "NETQ22_1_L04_P563" (solid, remove dead copper, pour order 563): 163.068,111.5 160.29,111.5 160.29,109.203 158.026,109.211 158.026,115.262 163.068,115.262
NetQ27_1 on Bottom Layer "NETQ27_1_L04_P561" (solid, remove dead copper, pour order 561): 147.25,109.104 147.25,111.5 149.855,111.5 149.855,115.164 144.732,115.164 144.732,109.113
NetQ25_1 on Bottom Layer "NETQ25_1_L04_P559" (solid, pour order 559): 133.684,109.079 133.683,111.5 136.073,111.5 136.073,115.139 131.223,115.139 131.223,109.087
NetQ24_1 on Bottom Layer "NETQ24_1_L04_P557" (solid, remove dead copper, pour order 557): 120.052,109.17 120.052,111.5 122.5,111.5 122.5,115.23 117.638,115.23 117.638,109.179
NetQ28_1 on Bottom Layer "NETQ28_1_L04_P555" (solid, remove dead copper, pour order 555): 106.516,109.001 106.5,109.016 106.5,111.47 109.521,111.47 109.521,115.099 104.149,115.099 104.149,109.009
NetQ26_1 on Bottom Layer "NETQ26_1_L04_P552" (solid, remove dead copper, pour order 552): 93.734,109.04 93.75,109.056 93.75,111.5 96.25,111.5 96.25,115.1 91.378,115.1 91.378,109.048
NetQ20_1 on Bottom Layer "NETQ20_1_L04_P550" (solid, remove dead copper, pour order 550): 173.927,151.84 173.911,151.857 173.911,154.353 176.247,154.353 176.254,157.896 171.48,157.896 171.48,151.84
NetQ17_1 on Bottom Layer "NETQ17_1_L04_P548" (solid, remove dead copper, pour order 548): 160.573,151.751 160.555,151.769 160.555,154.486 163,154.486 163,157.807 158.226,157.807 158.226,151.751
NetQ19_1 on Bottom Layer "NETQ19_1_L04_P546" (solid, remove dead copper, pour order 546): 147.269,151.788 147.269,154.424 149.776,154.424 149.776,157.843 144.894,157.843 144.894,151.788
NetQ15_1 on Bottom Layer "NETQ15_1_L04_P543" (solid, remove dead copper, pour order 543): 133.669,151.801 133.684,151.816 133.684,154.418 136.25,154.418 136.25,157.857 131.309,157.857 131.309,151.801
NetQ18_1 on Bottom Layer "NETQ18_1_L04_P541" (solid, remove dead copper, pour order 541): 120.25,151.822 120.25,154.328 122.75,154.328 122.75,157.878 117.99,157.878 117.99,151.822
NetQ16_1 on Bottom Layer "NETQ16_1_L04_P539" (solid, remove dead copper, pour order 539): 106.555,151.724 106.555,154.5 109.27,154.5 109.27,157.78 104.272,157.78 104.272,151.724
NetQ21_1 on Bottom Layer "NETQ21_1_L04_P537" (solid, remove dead copper, pour order 537): 93.5,151.75 93.5,154.325 96.088,154.325 96.088,157.806 91.25,157.806 91.25,151.75
NetD15_2 on Bottom Layer "NETD15_2_L04_P533" (solid, remove dead copper, pour order 533): 83.5,148.308 83.5,148 87,148 87,148.312 178.5,148.406 178.5,150.357 80.142,150.357 80.142,148.305
NetQ5_1 on Bottom Layer "NETQ5_1_L04_P532" (solid, remove dead copper, pour order 532): 174,237.575 174,240.5 176.576,240.5 176.576,244.075 171.756,244.075 171.756,237.575
NetQ4_1 on Bottom Layer "NETQ4_1_L04_P530" (solid, remove dead copper, pour order 530): 160.9,237.473 160.9,240.512 163.5,240.512 163.5,243.973 158.443,243.973 158.443,237.473
NetQ3_1 on Bottom Layer "NETQ3_1_L04_P528" (solid, remove dead copper, pour order 528): 147.25,237.486 147.25,240.25 149.75,240.25 149.75,243.986 144.822,243.986 144.822,237.486
NetQ2_1 on Bottom Layer "NETQ2_1_L04_P526" (solid, remove dead copper, pour order 526): 133.949,237.531 133.949,240.5 136.5,240.5 136.5,244.031 131.477,244.031 131.477,237.531
NetQ6_1 on Bottom Layer "NETQ6_1_L04_P524" (solid, remove dead copper, pour order 524): 120.5,237.5 120.5,240.5 123,240.5 123,244 118,244 118,237.5
NetQ1_1 on Bottom Layer "NETQ1_1_L04_P522" (solid, remove dead copper, pour order 522): 107.25,237.531 107.25,240.25 110.002,240.25 110.002,244.031 104.752,244.031 104.752,237.531
NetQ7_1 on Bottom Layer "NETQ7_1_L04_P519" (solid, remove dead copper, pour order 519): 94,238.25 94,240 96.25,240 96.25,244 91.5,244 91.5,238.25
NetD1_2 on Bottom Layer "NETD1_2_L04_P517" (solid, remove dead copper, pour order 517): 90.535,234.164 80.25,234.164 80.25,236.381 178.48,236.102 178.48,233.738
GND on Bottom Layer "GND_L04_P424" (solid, remove dead copper, pour order 424): 20 vertices, not listed, extent 207.75,29 219,82.75
+48V on Bottom Layer "+48V_L04_P423" (solid, remove dead copper, pour order 423): 28 vertices, not listed, extent 94.5,29 213.5,90.5
GND on Bottom Layer "GND_L04_P422" (solid, remove dead copper, pour order 422): 48 vertices, not listed, extent 84.25,19 222.41,190.25
+48V on Bottom Layer "+48V_L04_P421" (solid, remove dead copper, pour order 421): 29 vertices, not listed, extent 93.25,107 213.284,176.75
GND on Bottom Layer "GND_L04_P420" (solid, remove dead copper, pour order 420): 25 vertices, not listed, extent 207.224,189.75 221.75,247.017
+48V on Bottom Layer "+48V_L04_P419" (solid, remove dead copper, pour order 419): 20 vertices, not listed, extent 199.25,192.5 213.25,250
GND on mid1 "GND_L02_P713" (solid, pour order 713): 61.676,103.25 67.75,103.25 67.75,97.25 61.676,97.25 61.676,17 88.75,17 88.75,265 60.599,265
+48V on mid1 "+48V_L02_P473" (solid, remove dead copper, pour order 473): 23 vertices, not listed, extent 186.329,84 213.5,164.75
+48V on mid1 "+48V_L02_P475" (solid, remove dead copper, pour order 475): 19 vertices, not listed, extent 185.25,29 213.25,83
+48V on mid1 "+48V_L02_P474" (solid, pour order 474): 94.75,96.5 94.75,73 185.448,73 185.448,82 202.75,82 204.5,82.502 204.5,96.5
+48V on mid1 "+48V_L02_P472" (solid, pour order 472): 189.75,160.5 189.75,161.5 205.75,161.5 205.75,183.25 94.5,183.25 94.5,160.5
+48V on mid1 "+48V_L02_P470" (solid, pour order 470): 183.383,250 201.75,250 201.75,247.25 183.383,247.25
+48V on mid1 "+48V_L02_P469" (solid, pour order 469): 20 vertices, not listed, extent 185,163.25 213,250
+48V on mid1 "+48V_L02_P468" (solid, pour order 468): 94.75,263.001 222.814,262.997 222.703,250 185.75,250 185.75,244.25 94.75,244.25
GND on mid2 "GND_L03_P482" (solid, pour order 482): 188.895,34 181,34 100.75,34 100.75,23.5 100.75,18 222.75,18 222.75,34
GND on mid2 "GND_L03_P480" (solid, pour order 480): 100.739,92.75 100.739,109.75 180.862,109.75 219.5,109.75 219.5,92.75
GND on mid2 "GND_L03_P477" (solid, pour order 477): 222.75,207.438 210.55,196 187.25,196 180.97,196 100.933,196 100.933,178.75 222.75,178.75
GND on mid2 "GND_L03_P483" (solid, pour order 483): 100.922,191.499 100.922,185.75 103.25,185.75 103.25,196 103.236,195.986 100.861,195.986
GND on mid2 "GND_L03_P484" (solid, pour order 484): 113.912,196 113.914,185.75 116.75,185.75 116.75,196
GND on mid2 "GND_L03_P485" (solid, pour order 485): 127.435,191.589 127.435,185.738 130.25,185.738 130.25,195.988 127.435,195.988
GND on mid2 "GND_L03_P486" (solid, pour order 486): 140.82,191.494 140.839,191.494 140.84,189.438 140.776,185.688 143.376,185.688 143.376,195.938 140.788,195.938 140.776,195.95
GND on mid2 "GND_L03_P487" (solid, pour order 487): 154.033,191.499 154.034,185.75 156.589,185.75 156.589,196 154,196 153.988,196.012
GND on mid2 "GND_L03_P488" (solid, pour order 488): 167.513,191.512 167.532,191.512 167.533,189.512 167.57,185.762 170.033,185.762 170.033,196.012 167.469,196.012
GND on mid2 "GND_L03_P481" (solid, remove dead copper, pour order 481): 19 vertices, not listed, extent 207.75,20 222.75,98
GND on mid2 "GND_L03_P479" (solid, remove dead copper, pour order 479): 28 vertices, not listed, extent 196,97.75 222.75,180.5
GND on mid2 "GND_L03_P476" (solid, pour order 476): 20 vertices, not listed, extent 207,191 222.75,247

## Keep-outs
Keep-Out Layer:
  the board outline again, w0.254

## Other copper
Top Layer:
  rectangle net NetR124_1: 84.707,40.5 87.75,50.261
  rectangle net NetR123_1: 84.717,55 87.75,64.869
  rectangle net NetR122_1: 84.632,69.656 87.825,79.403
  rectangle net NetR120_1: 84.844,115.387 87.86,128.365
  rectangle net NetR119_1: 84.852,133 88,146.039
  rectangle net NetR118_1: 84.746,151 88,163.81
  rectangle net NetR116_1: 84.433,201 87.5,214.442
  rectangle net NetR115_1: 84.396,219 87.5,232.411
  rectangle net NetR114_1: 84.5,237.25 87.5,250.5
  rectangle net NetC34_1: 195.53,127.75 197.03,131.75
  rectangle net NetC30_1: 195.53,134 197.03,137.5
  rectangle net NetC28_1: 195.53,139.9 196.935,143.75
  rectangle net NetC27_1: 190.505,140.305 192.005,144.055
  rectangle net NetC25_1: 195.53,145.868 196.991,149.5
  rectangle net NetC24_1: 190.56,145.968 192.06,149.468
  rectangle net NetC21_1: 195.53,152.033 197.027,155.25
  rectangle net NetC20_1: 190.523,152.064 192.023,155.314
  rectangle net NetC18_1: 190.576,157.22 192.076,160.97
  rectangle net NetC19_1: 195.53,157.379 197.046,161
  rectangle net NetC81_1: 190.439,115.826 192.045,120.071
  rectangle net NetC82_1: 195.53,116 197.03,120.25
  rectangle net NetC79_1: 190.474,121.97 192.063,125.605
  rectangle net NetC80_1: 195.53,122.5 197.03,125.75
  rectangle net NetC29_1: 190.446,134.246 192.023,137.863
  rectangle net NetC33_1: 190.44,128.149 192.021,132.002
  rectangle net NetC77_1: 188.07,202.607 189.82,207.107
  rectangle net NetC75_1: 188.25,209 189.75,212.25
  rectangle net NetC16_1: 188.25,214.5 189.75,218
  rectangle net NetC12_1: 188.25,220.25 189.75,223.5
  rectangle net NetC10_1: 188.25,225.75 189.75,229
  rectangle net NetC6_1: 188.25,231.25 189.75,234.5
  rectangle net NetC3_1: 188.25,236.75 189.75,240
  rectangle net NetC1_1: 188.25,242.25 189.75,245.5
  rectangle net NetC86_1: 195.38,37.25 197.138,41.5
  rectangle net NetC84_1: 195.53,43.75 196.78,46.75
  rectangle net NetC51_1: 195.53,48.75 196.78,52.25
  rectangle net NetC47_1: 195.53,54.5 196.78,57.5
  rectangle net NetC45_1: 195.53,59.75 196.78,63.25
  rectangle net NetC43_1: 195.53,65.25 196.78,68.75
  rectangle net NetC38_1: 195.53,71 196.78,74.5
  rectangle net NetC36_1: 195.53,76.75 196.78,80.25
  rectangle net NetC85_1: 190.372,37.5 192.134,41.5
  rectangle net NetC83_1: 190.576,43.5 192.076,46.75
  rectangle net NetC50_1: 190.576,49 192.076,52.25
  rectangle net NetC46_1: 190.576,54.5 192.076,57.75
  rectangle net NetC44_1: 190.576,59.75 192.076,63.25
  rectangle net NetC42_1: 190.576,65.25 192.076,68.75
  rectangle net NetC37_1: 190.576,71 192.076,74.5
  rectangle net NetC35_1: 190.576,76.75 192.076,80.25
  rectangle net NetC78_1: 193.655,202.562 195.405,206.812
  rectangle net NetC76_1: 193.667,209.167 195.372,212.25
  rectangle net NetC17_1: 193.75,214.5 195.25,218
  rectangle net NetC13_1: 193.75,220.25 195.25,223.5
  rectangle net NetC11_1: 193.75,225.75 195.25,229
  rectangle net NetC7_1: 193.75,231.25 195.25,234.25
  rectangle net NetC4_1: 193.75,236.75 195.25,240
  rectangle net NetC2_1: 193.75,242.25 195.25,245.5
  region net Source_3: 138,60.75 176.5,60.75 176.5,53.25 176.25,53 138,53
  region net B1: 138.5,136.25 175.5,136.25 176,135.75 176,127.75 139,127.75 138.5,128.25
  region net A1: 138.5,221.25 175.5,221.25 175.5,214 175,213.5 138.5,213.5
  region net GND: 219.994,17 220.001,247.189 225.425,247.189 225.749,17
  region net GND: 90.875,190.167 222,190.164 222,183.846 90.875,183.662
  region net GND: 100.75,104.15 222.75,104.147 222.75,97.057 100.75,96.885
  region net GND: 100.5,27.001 222.042,26.998 222.042,17.836 100.5,17.664
  region net +48V: 94.562,90.252 204.5,90.249 204.5,82.357 94.562,82.202
  region net +48V: 94.056,176.65 205.75,176.646 205.75,168.872 94.056,168.715
  region net +48V: 93.795,263 222.769,262.997 222.769,254.105 93.795,253.924
Bottom Layer:
  rectangle net NetC99_2: 165.074,199.349 168.419,200.703
  rectangle net NetC100_2: 178.387,199.353 182.093,200.765
  rectangle net NetC97_2: 124.939,199.264 128.08,200.737
  rectangle net NetC103_2: 151.565,199.336 154.729,200.775
  rectangle net NetC102_2: 111.358,199.25 114.5,200.721
  rectangle net NetC101_2: 97.781,199.643 100.726,200.983
  rectangle net NetC98_2: 138.205,199.34 141.523,200.791
  rectangle net NetC128_2: 177.744,37.912 180.742,39.233
  rectangle net NetC127_2: 164.212,37.942 167.225,39.263
  rectangle net NetC131_2: 150.738,37.966 153.735,39.269
  rectangle net NetC126_2: 137.407,37.936 140.326,39.251
  rectangle net NetC125_2: 124.072,38 127,39.229
  rectangle net NetC130_2: 110.395,37.934 113.484,39.269
  rectangle net NetC129_2: 97.471,37.945 100.499,39.276
  rectangle net NetC123_2: 177.35,69.446 180.46,70.722
  rectangle net NetC122_2: 163.879,69.506 166.95,70.705
  rectangle net NetC121_2: 150.597,69.496 153.6,70.695
  rectangle net NetC120_2: 137.156,69.5 140.25,70.691
  rectangle net NetC119_2: 123.788,69.404 126.687,70.721
  rectangle net NetC118_2: 110.587,69.441 113.499,70.691
  rectangle net NetC124_2: 97.209,69.466 100.133,70.725
  rectangle net NetC114_2: 177.206,113.633 180.664,114.942
  rectangle net NetC113_2: 164.03,113.648 167.016,114.969
  rectangle net NetC117_2: 150.726,113.641 153.787,114.918
  rectangle net NetC112_2: 137.247,113.68 140.24,114.92
  rectangle net NetC111_2: 123.618,113.655 126.856,114.918
  rectangle net NetC116_2: 110.112,113.68 113.198,114.959
  rectangle net NetC115_2: 97.33,113.651 100.343,114.985
  rectangle net NetC109_2: 177.295,156.371 180.31,157.799
  rectangle net NetC108_2: 163.972,156.42 166.998,157.747
  rectangle net NetC107_2: 150.862,156.38 153.772,157.82
  rectangle net NetC106_2: 137.278,156.397 140.309,157.771
  rectangle net NetC105_2: 123.821,156.34 126.947,157.744
  rectangle net NetC104_2: 110.414,156.332 113.633,157.752
  rectangle net NetC110_2: 97.192,156.308 100.35,157.775
  rectangle net NetC96_2: 177.446,242.427 180.474,243.716
  rectangle net NetC95_2: 164.225,242.409 167.174,243.673
  rectangle net NetC94_2: 150.936,242.437 153.83,243.681
  rectangle net NetC93_2: 137.183,242.407 140.184,243.706
  rectangle net NetC74_2: 123.95,242.423 127.028,243.733
  rectangle net NetC73_2: 110.5,242.362 113.604,243.75
  rectangle net NetC72_2: 97.25,242.409 100.313,243.75
  region net Source_3: 138.25,60.5 176.75,60.5 176.75,53.5 138.25,53.5
  region net B1: 138.25,135.75 176.25,135.75 176.5,135.5 176.5,128.25 138.75,128.25 138.25,128.75
  region net A1: 138,221.75 175.5,221.75 175.5,213.75 138,213.75

## Silkscreen, mask and mechanical layers (free items; w line width, h text height)
Top Overlay:
  drawing of 13 lines, arcs and shapes, not listed
  text "HBN  TECHNOLOGY  POWER BOARD" at 72.5,18.75 h1.52
Mechanical 1:
  lines w0.254: 205.184,244.105 205.934,244.105 205.934,246.355 205.434,246.355 205.184,246.355 205.184,244.105 ; 205.536,229.506 206.286,229.506 206.286,231.756 205.786,231.756 205.536,231.756 205.536,229.506 ; 206.088,214.295 206.838,214.295 206.838,216.545 206.338,216.545 206.088,216.545 206.088,214.295 ; 206.09,36.54 206.84,36.54 206.84,38.79 206.34,38.79 206.09,38.79 206.09,36.54 ; 206.121,199.801 206.871,199.801 206.871,202.051 206.371,202.051 206.121,202.051 206.121,199.801 ; 206.125,65.5 206.875,65.5 206.875,67.75 206.375,67.75 206.125,67.75 206.125,65.5 ; 206.14,51.038 206.89,51.038 206.89,53.288 206.39,53.288 206.14,53.288 206.14,51.038 ; 206.187,114.204 206.937,114.204 206.937,116.454 206.437,116.454 206.187,116.454 206.187,114.204 ; 206.265,144.092 207.015,144.092 207.015,146.342 206.515,146.342 206.265,146.342 206.265,144.092 ; 206.282,80.018 207.032,80.018 207.032,82.268 206.532,82.268 206.282,82.268 206.282,80.018 ; 206.355,159.857 207.105,159.857 207.105,162.107 206.605,162.107 206.355,162.107 206.355,159.857 ; 206.399,128.94 207.149,128.94 207.149,131.19 206.649,131.19 206.399,131.19 206.399,128.94 ; 213.125,236.856 213.125,239.106 213.375,239.106 213.875,239.106 213.875,236.856 213.125,236.856 ; 213.353,222.155 213.353,224.405 213.603,224.405 214.103,224.405 214.103,222.155 213.353,222.155 ; 213.971,58.356 214.721,58.356 214.721,60.606 214.221,60.606 213.971,60.606 213.971,58.356 ; 213.971,207.309 213.971,209.559 214.221,209.559 214.721,209.559 214.721,207.309 213.971,207.309 ; 213.986,136.68 213.986,138.93 214.236,138.93 214.736,138.93 214.736,136.68 213.986,136.68 ; 214,152 214,154.25 214.25,154.25 214.75,154.25 214.75,152 214,152 ; 214.023,72.793 214.773,72.793 214.773,75.043 214.273,75.043 214.023,75.043 214.023,72.793 ; 214.265,121.343 214.265,123.593 214.515,123.593 215.015,123.593 215.015,121.343 214.265,121.343 ; 214.269,107.301 214.269,109.551 214.519,109.551 215.019,109.551 215.019,107.301 214.269,107.301 ; 214.305,193.087 214.305,195.337 214.555,195.337 215.055,195.337 215.055,193.087 214.305,193.087 ; 214.321,43.892 215.071,43.892 215.071,46.142 214.571,46.142 214.321,46.142 214.321,43.892 ; 214.368,29.224 215.118,29.224 215.118,31.474 214.618,31.474 214.368,31.474 214.368,29.224